# Altium PCB Thunderscope_Rev3.PCBDOC (part 3 of 6) (continued)
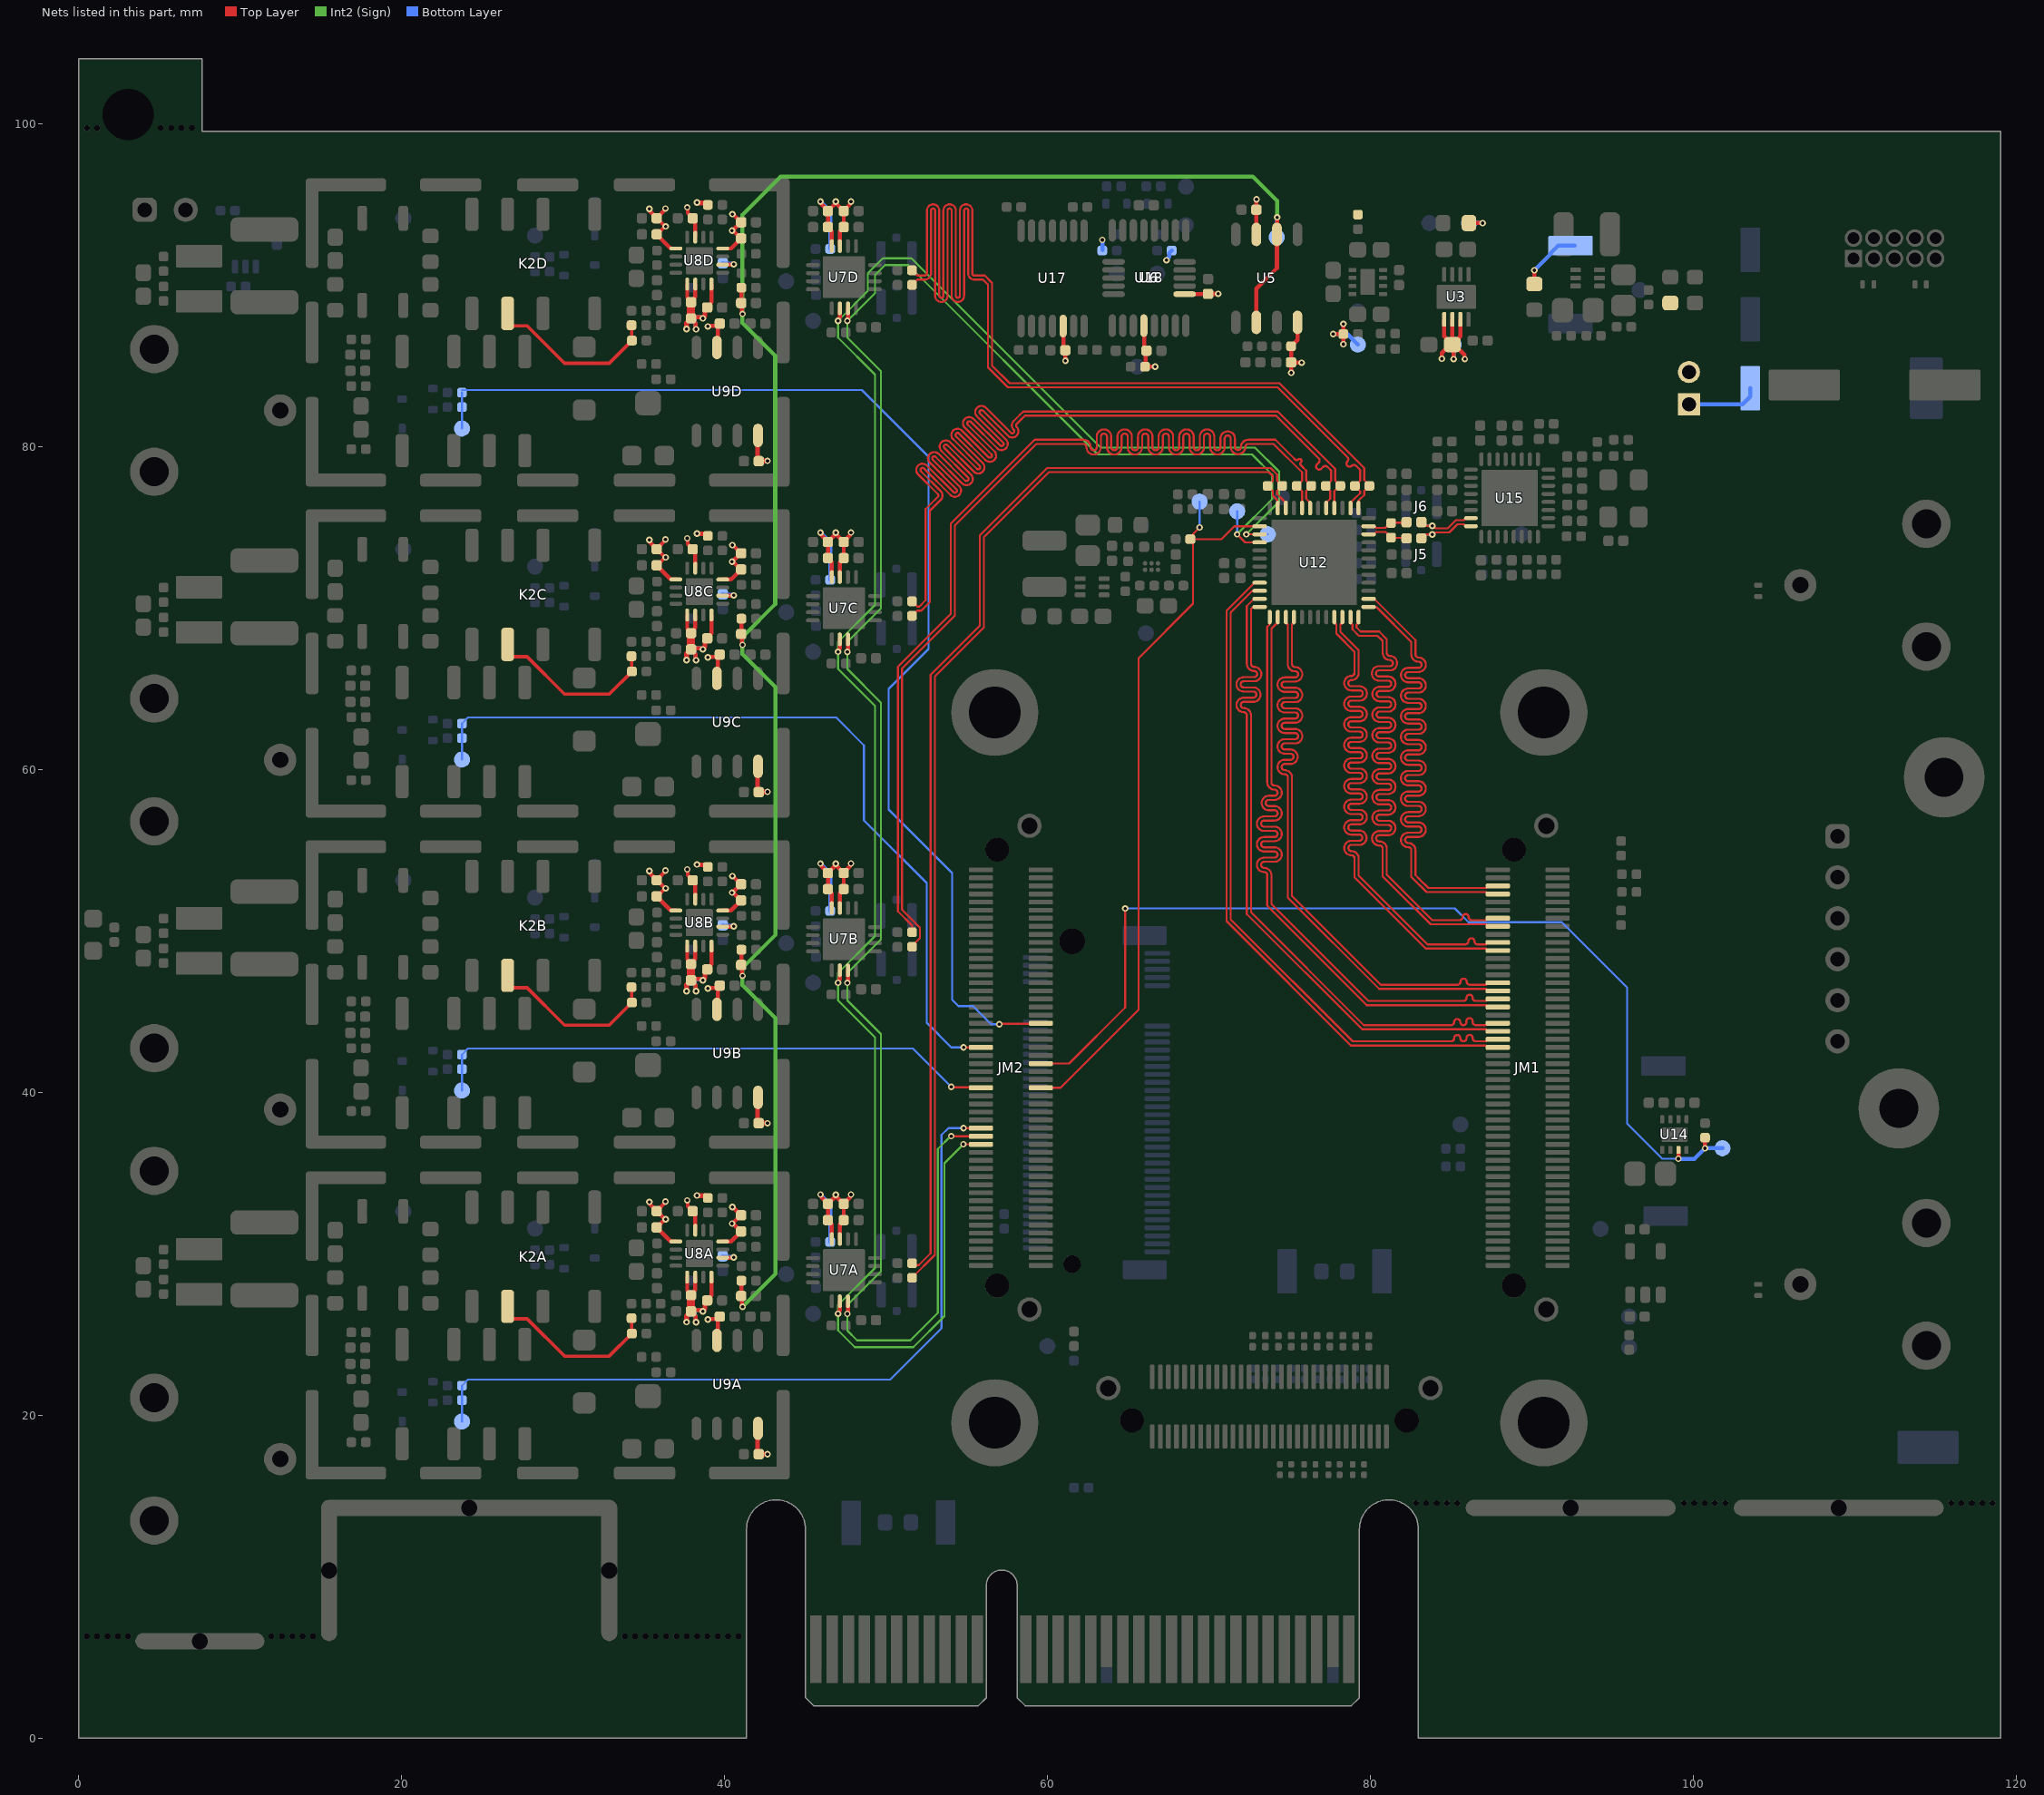
[diagram p7: the nets of this part, all layers, seen from the top]
## Nets (pads, with @x,y where several pads share a name; then routed paths per layer and width w, separated by ;. In a path a pad name is that pad's centre, name@x,y a point inside that pad or via, vN(x,y) a via of type N, cw(c..) or ccw(c..) an arc to the next point about the centre after c; other vN are vias at no path point) (continued)
ATTEN_OUTB: K2B.6 R31B.1 R41B.2 | length 10.9
  Top Layer w0.213: K2B.6@26.55,47.23 26.55,46.79 26.876,46.463 27.761,46.463 30.075,44.15 32.85,44.15 R41B.2@34.25,45.55 34.237,45.563 R31B.1@34.237,46.488 ; R31B.1@34.118,46.607 R31B.1@34.237,46.488 ; R31B.1@34.225,46.5 R31B.1@34.237,46.488
ATTEN_OUTC: K2C.6 R31C.1 R41C.2 | length 10.9
  Top Layer w0.213: K2C.6@26.55,67.73 26.55,67.29 26.876,66.964 27.761,66.964 30.075,64.65 32.85,64.65 R41C.2@34.25,66.05 34.237,66.063 R31C.1@34.237,66.988 ; R31C.1@34.118,67.107 R31C.1@34.237,66.988 ; R31C.1@34.225,67 R31C.1@34.237,66.988
ATTEN_OUTD: K2D.6 R31D.1 R41D.2 | length 10.9
  Top Layer w0.213: K2D.6@26.55,88.23 26.55,87.79 26.876,87.464 27.761,87.464 30.075,85.15 32.85,85.15 R41D.2@34.25,86.55 34.237,86.563 R31D.1@34.237,87.488 ; R31D.1@34.118,87.607 R31D.1@34.237,87.488 ; R31D.1@34.225,87.5 R31D.1@34.237,87.488
CH1_N: R40A.2 R57.2 U12.47 | length 69.7
  Top Layer w0.127: R40A.2@51.6,28.5 51.6,28.51 53.007,29.918 53.007,65.743 56.05,68.786 56.05,74.375 60.075,78.4 73.686,78.4 73.943,78.143 73.943,77.875 R57.2@73.618,77.55 73.942,77.226 73.942,76.937 74.22,76.66 U12.47@74.22,76.199
CH1_P: R30A.2 R57.1 U12.46 | length 69.8
  Top Layer w0.127: R30A.2@51.6,29.4 51.71,29.29 52.016,29.29 52.75,30.024 52.75,65.85 55.793,68.893 55.793,74.482 59.968,78.657 73.793,78.657 74.2,78.25 74.2,77.868 R57.1@74.518,77.55 74.2,77.231 74.2,77.044 74.529,76.714 U12.46@74.743,76.5
CH2_N: R40B.2 R60.2 U12.44 | length 69.7
  Top Layer w0.127: R40B.2@51.6,49 51.6,49.047 52.091,49.537 52.091,50.191 50.982,51.299 50.982,66.243 54.25,69.511 54.25,75.105 59.295,80.15 61.375,80.15 62.205,80.15 cw(c62.205,79.959) 62.396,79.959 62.396,79.941 ccw(c62.843,79.941) 62.843,79.493 ccw(c62.843,79.941) 63.291,79.941 63.291,80.597 cw(c63.482,80.597) 63.482,80.787 cw(c63.482,80.597) 63.672,80.597 63.672,79.941 ccw(c64.12,79.941) 64.12,79.493 ccw(c64.12,79.941) 64.567,79.941 64.567,80.597 cw(c64.758,80.597) 64.758,80.787 cw(c64.758,80.597) 64.948,80.597 64.948,79.941 ccw(c65.396,79.941) 65.396,79.493 ccw(c65.396,79.941) 65.844,79.941 65.844,80.597 cw(c66.034,80.597) 66.034,80.787 cw(c66.034,80.597) 66.225,80.597 66.225,79.941 ccw(c66.673,79.941) 66.673,79.493 ccw(c66.673,79.941) 67.12,79.941 67.12,80.597 cw(c67.311,80.597) 67.311,80.787 cw(c67.311,80.597) 67.501,80.597 67.501,79.941 ccw(c67.949,79.941) 67.949,79.493 ccw(c67.949,79.941) 68.397,79.941 68.397,80.597 cw(c68.587,80.597) 68.587,80.787 cw(c68.587,80.597) 68.778,80.597 68.778,79.941 ccw(c69.226,79.941) 69.226,79.493 ccw(c69.226,79.941) 69.673,79.941 69.673,80.597 cw(c69.864,80.597) 69.864,80.787 cw(c69.864,80.597) 70.054,80.597 70.054,79.941 ccw(c70.502,79.941) 70.502,79.493 ccw(c70.502,79.941) 70.95,79.941 70.95,80.48 cw(c71.14,80.48) 71.14,80.67 cw(c71.14,80.48) 71.331,80.48 71.331,79.959 ccw(c71.778,79.959) 71.778,79.512 ccw(c71.778,79.959) 72.226,79.959 cw(c72.417,79.959) 72.417,80.15 73.169,80.15 73.986,80.15 75.743,78.393 75.743,77.875 R60.2@75.418,77.55 75.418,77.546 75.743,77.221 U12.44@75.743,76.175
CH2_P: R30B.2 R60.1 U12.43 | length 69.7
  Top Layer w0.127: R30B.2@51.6,49.9 51.602,49.902 51.602,50.316 50.725,51.193 50.725,66.35 53.993,69.618 53.993,75.211 59.189,80.407 61.375,80.407 62.205,80.407 cw(c62.205,79.959) 62.653,79.959 62.653,79.941 ccw(c62.843,79.941) 62.843,79.75 ccw(c62.843,79.941) 63.034,79.941 63.034,80.597 cw(c63.482,80.597) 63.482,81.044 cw(c63.482,80.597) 63.929,80.597 63.929,79.941 ccw(c64.12,79.941) 64.12,79.75 ccw(c64.12,79.941) 64.31,79.941 64.31,80.597 cw(c64.758,80.597) 64.758,81.044 cw(c64.758,80.597) 65.206,80.597 65.206,79.941 ccw(c65.396,79.941) 65.396,79.75 ccw(c65.396,79.941) 65.587,79.941 65.587,80.597 cw(c66.034,80.597) 66.034,81.044 cw(c66.034,80.597) 66.482,80.597 66.482,79.941 ccw(c66.673,79.941) 66.673,79.75 ccw(c66.673,79.941) 66.863,79.941 66.863,80.597 cw(c67.311,80.597) 67.311,81.044 cw(c67.311,80.597) 67.759,80.597 67.759,79.941 ccw(c67.949,79.941) 67.949,79.75 ccw(c67.949,79.941) 68.14,79.941 68.14,80.597 cw(c68.587,80.597) 68.587,81.044 cw(c68.587,80.597) 69.035,80.597 69.035,79.941 ccw(c69.226,79.941) 69.226,79.75 ccw(c69.226,79.941) 69.416,79.941 69.416,80.597 cw(c69.864,80.597) 69.864,81.044 cw(c69.864,80.597) 70.311,80.597 70.311,79.941 ccw(c70.502,79.941) 70.502,79.75 ccw(c70.502,79.941) 70.692,79.941 70.692,80.48 cw(c71.14,80.48) 71.14,80.927 cw(c71.14,80.48) 71.588,80.48 71.588,79.959 ccw(c71.778,79.959) 71.778,79.769 ccw(c71.778,79.959) 71.969,79.959 cw(c72.417,79.959) 72.417,80.407 73.169,80.407 74.093,80.407 75.272,79.228 75.317,79.183 ccw(c75.407,79.273) 75.497,79.183 cw(c75.587,79.093) 75.677,79.183 cw(c75.587,79.093) 75.677,79.003 ccw(c75.766,78.913) 75.677,78.823 75.793,78.707 75.838,78.662 76,78.5 76,77.868 R60.1@76.318,77.55 76,77.232 76,76.758 76.243,76.515 U12.43@76.243,76.175
CH3_N: R40C.2 R62.2 U12.41 | length 69.7
  Top Layer w0.127: R40C.2@51.6,69.5 51.6,69.51 51.911,69.821 52.167,69.821 52.7,70.355 52.7,76.011 53.237,76.548 53.373,76.684 ccw(c53.101,76.956) 53.41,77.183 53.41,77.19 53.373,77.227 52.155,78.445 cw(c52.245,78.535) 52.155,78.625 cw(c52.245,78.535) 52.335,78.625 ; 52.335,78.624 53.976,76.983 ccw(c54.248,77.254) 54.52,76.983 ccw(c54.248,77.254) 54.558,77.482 54.558,77.488 52.878,79.168 cw(c52.967,79.258) 52.878,79.348 cw(c52.967,79.258) 53.058,79.348 ; 53.058,79.347 54.699,77.706 ccw(c54.971,77.977) 55.243,77.706 55.244,77.707 ccw(c54.971,77.977) 55.281,78.205 55.281,78.211 53.601,79.891 cw(c53.69,79.981) 53.601,80.071 cw(c53.69,79.981) 53.781,80.07 55.422,78.429 ccw(c55.694,78.7) 55.966,78.429 55.967,78.43 ccw(c55.694,78.7) 56.003,78.928 56.003,78.934 54.324,80.614 cw(c54.413,80.704) 54.324,80.794 cw(c54.413,80.704) 54.503,80.793 ; 54.504,80.793 56.145,79.152 ccw(c56.417,79.423) 56.689,79.151 56.69,79.152 ccw(c56.417,79.423) 56.726,79.651 56.726,79.657 55.047,81.337 cw(c55.136,81.427) 55.047,81.517 cw(c55.136,81.427) 55.226,81.516 56.868,79.875 ccw(c57.14,80.146) 57.412,79.874 57.413,79.875 ccw(c57.14,80.146) 57.449,80.374 57.449,80.38 56.708,81.121 55.805,82.025 cw(c55.895,82.115) 55.805,82.204 cw(c55.895,82.115) 55.984,82.204 57.529,80.66 ccw(c57.8,80.932) 58.072,80.66 58.073,80.661 ccw(c57.8,80.932) 58.072,81.204 cw(c58.162,81.293) 58.072,81.383 58.46,81.772 58.589,81.9 74.136,81.9 76.462,79.574 76.507,79.529 76.777,79.26 cw(c76.642,79.125) 76.777,78.99 76.672,78.885 ccw(c76.807,78.751) 76.672,78.616 ccw(c76.807,78.751) 76.941,78.616 77.046,78.721 cw(c77.181,78.586) 77.315,78.721 77.484,78.552 77.529,78.507 77.539,78.497 77.539,77.905 ; U12.41@77.243,76.515 77.486,76.758 77.486,77.232 77.455,77.263 77.455,77.267 77.218,77.503 R62.2@77.218,77.55 77.543,77.875 77.543,77.894
CH3_P: R30C.2 R62.1 U12.40 | length 69.7
  Top Layer w0.127: R30C.2@51.6,70.4 51.6,70.39 51.911,70.079 52.06,70.079 52.443,70.461 52.443,76.118 53.055,76.73 53.191,76.866 ccw(c53.101,76.956) 53.19,77.046 ; 52.697,78.986 cw(c52.967,79.258) 52.696,79.53 52.697,79.531 cw(c52.967,79.258) 53.195,79.567 53.201,79.567 54.881,77.887 ccw(c54.971,77.977) 55.061,77.887 ccw(c54.971,77.977) 55.061,78.067 53.42,79.708 cw(c53.69,79.981) 53.419,80.253 cw(c53.69,79.981) 53.918,80.29 53.924,80.29 55.604,78.61 ccw(c55.694,78.7) 55.784,78.61 ccw(c55.694,78.7) 55.784,78.79 54.143,80.431 cw(c54.413,80.704) 54.142,80.976 cw(c54.413,80.704) 54.641,81.013 54.647,81.013 56.327,79.333 ccw(c56.417,79.423) 56.507,79.333 ccw(c56.417,79.423) 56.507,79.513 ; 52.697,78.985 54.337,77.345 ; 53.19,77.046 51.974,78.262 cw(c52.245,78.535) 51.973,78.807 51.974,78.808 cw(c52.245,78.535) 52.472,78.844 52.479,78.844 54.158,77.164 ccw(c54.248,77.254) 54.338,77.164 ccw(c54.248,77.254) 54.338,77.344 ; 54.866,81.154 56.506,79.514 ; 54.865,81.154 cw(c55.136,81.427) 54.865,81.699 cw(c55.136,81.427) 55.364,81.736 55.37,81.736 57.05,80.056 ccw(c57.14,80.146) 57.23,80.056 ccw(c57.14,80.146) 57.23,80.236 ; 57.229,80.237 55.623,81.843 cw(c55.895,82.115) 55.623,82.386 cw(c55.895,82.115) 56.166,82.386 57.71,80.842 ccw(c57.8,80.932) 57.89,80.842 ccw(c57.8,80.932) 57.89,81.022 cw(c58.162,81.293) 57.89,81.565 58.278,81.953 58.482,82.157 74.243,82.157 77.8,78.6 77.8,77.868 R62.1@78.118,77.55 ; U12.40@77.743,76.175 77.743,77.221 R62.1@78.068,77.546 ; R62.1@78.118,77.527 R62.1@78.118,77.55 ; R62.1@78.118,77.573 R62.1@78.118,77.55
CH4_N: R40D.2 R63.2 U12.38 | length 69.7
  Top Layer w0.127: R40D.2@51.6,90 51.6,90.01 51.911,90.321 52.196,90.321 52.389,90.321 ccw(c52.389,90.706) 52.773,90.706 52.773,94.601 cw(c52.9,94.601) 52.9,94.728 cw(c52.9,94.601) 53.027,94.601 53.027,89.324 ccw(c53.411,89.324) 53.411,88.94 ccw(c53.411,89.324) 53.795,89.324 53.795,94.601 cw(c53.922,94.601) 53.922,94.728 cw(c53.922,94.601) 54.049,94.601 54.049,89.324 ccw(c54.433,89.324) 54.433,88.94 ccw(c54.433,89.324) 54.818,89.324 54.818,94.601 cw(c54.945,94.601) 54.945,94.728 cw(c54.945,94.601) 55.072,94.601 55.072,90.706 ccw(c55.456,90.706) 55.456,90.321 55.854,90.321 55.993,90.321 56.3,90.014 56.3,84.886 57.536,83.65 74.236,83.65 78.238,79.648 78.283,79.603 78.553,79.334 cw(c78.418,79.199) 78.553,79.064 ccw(c78.687,78.929) 78.553,78.795 ccw(c78.687,78.929) 78.822,78.795 ; U12.38@78.743,76.175 78.743,76.5 78.957,76.714 79.339,77.096 79.339,77.214 79.018,77.535 R63.2@79.018,77.55 79.343,77.875 79.343,78.343 79.343,78.543 79.091,78.795 ; 78.822,78.795 cw(c78.957,78.66) 79.091,78.795
CH4_P: R30D.2 R63.1 U12.37 | length 69.6
  Top Layer w0.127: R30D.2@51.6,90.9 51.6,90.89 51.911,90.579 52.196,90.579 52.389,90.579 ccw(c52.389,90.706) 52.516,90.706 52.516,94.601 cw(c52.9,94.601) 52.9,94.985 cw(c52.9,94.601) 53.284,94.601 53.284,89.324 ccw(c53.411,89.324) 53.411,89.197 ccw(c53.411,89.324) 53.538,89.324 53.538,94.601 cw(c53.922,94.601) 53.922,94.985 cw(c53.922,94.601) 54.306,94.601 54.306,89.324 ccw(c54.433,89.324) 54.433,89.197 ccw(c54.433,89.324) 54.56,89.324 54.56,94.601 cw(c54.945,94.601) 54.945,94.985 cw(c54.945,94.601) 55.329,94.601 55.329,90.706 ccw(c55.456,90.706) 55.456,90.579 55.854,90.579 55.993,90.579 56.1,90.579 56.557,90.121 56.557,84.993 57.643,83.907 74.343,83.907 79.6,78.65 79.6,77.915 79.918,77.597 R63.1@79.918,77.55 79.907,77.55 79.596,77.239 79.596,76.989 79.267,76.66 79.267,76.199 U12.37@79.243,76.175
D1A_N: JM1.57 U12.10 | length 42
  Top Layer w0.127: U12.10@73.118,71.05 73.095,71.026 72.64,71.026 71.325,69.711 71.325,50.7 78.876,43.149 84.625,43.149 84.974,43.149 ccw(c84.974,43.34) 85.165,43.34 85.165,43.35 cw(c85.355,43.35) 85.546,43.35 85.546,43.34 ccw(c85.736,43.34) 85.927,43.34 85.927,43.361 cw(c86.117,43.361) 86.308,43.361 86.308,43.34 ccw(c86.498,43.34) 86.498,43.149 86.943,43.149 87.139,43.149 87.261,43.271 JM1.57@87.867,43.271
D1A_P: JM1.55 U12.9 | length 42
  Top Layer w0.127: U12.9@73.118,71.55 72.8,71.55 72.589,71.339 71.068,69.818 71.068,50.593 78.769,42.892 87.139,42.892 87.261,42.771 JM1.55@87.867,42.771
D1B_N: JM1.61 U12.12 | length 42.2
  Top Layer w0.127: U12.12@73.118,70.05 73.095,70.026 72.689,70.026 72.582,69.92 72.582,68.486 72.582,66.725 72.582,66.533 ccw(c72.773,66.533) 72.773,66.342 72.775,66.342 cw(c72.775,65.895) 73.222,65.895 cw(c72.775,65.895) 72.775,65.447 72.133,65.447 ccw(c72.133,65.256) 71.942,65.256 ccw(c72.133,65.256) 72.133,65.066 72.728,65.066 cw(c72.728,64.618) 73.176,64.618 cw(c72.728,64.618) 72.728,64.171 72.134,64.171 ccw(c72.134,63.98) 71.944,63.98 ccw(c72.134,63.98) 72.134,63.79 cw(c72.134,63.342) 72.582,63.342 72.582,58.753 72.582,51.143 79.576,44.149 84.624,44.149 84.97,44.149 ccw(c84.97,44.34) 85.161,44.34 cw(c85.351,44.34) 85.542,44.34 ccw(c85.732,44.34) 85.923,44.34 85.923,44.395 cw(c86.113,44.395) 86.304,44.395 86.304,44.34 ccw(c86.494,44.34) 86.494,44.149 86.939,44.149 87.139,44.149 87.261,44.271 JM1.61@87.867,44.271
D1B_P: JM1.59 U12.11 | length 42.3
  Top Layer w0.127: U12.11@73.106,70.538 U12.11@73.118,70.55 72.779,70.55 72.325,70.096 72.325,68.38 72.325,66.725 72.325,66.533 ccw(c72.773,66.533) 72.773,66.085 72.775,66.085 cw(c72.775,65.895) 72.965,65.895 cw(c72.775,65.895) 72.775,65.704 72.133,65.704 ccw(c72.133,65.256) 71.685,65.256 ccw(c72.133,65.256) 72.133,64.809 72.728,64.809 cw(c72.728,64.618) 72.919,64.618 cw(c72.728,64.618) 72.728,64.428 72.134,64.428 ccw(c72.134,63.98) 71.687,63.98 ccw(c72.134,63.98) 72.134,63.532 cw(c72.134,63.342) 72.325,63.342 72.325,58.753 72.325,58.279 72.325,51.036 79.469,43.892 87.139,43.892 87.261,43.771 JM1.59@87.867,43.771
D2A_N: JM1.67 U12.14 | length 42.1
  Top Layer w0.127: U12.14@74.243,69.425 74.243,69.105 73.85,68.712 73.85,61.084 73.85,59.184 ccw(c74.04,59.184) 74.04,58.993 cw(c74.041,58.546) 74.488,58.546 cw(c74.041,58.546) 74.041,58.098 73.688,58.098 ccw(c73.688,57.907) 73.498,57.907 ccw(c73.688,57.907) 73.688,57.717 74.042,57.717 cw(c74.042,57.269) 74.49,57.269 cw(c74.042,57.269) 74.042,56.822 73.4,56.822 ccw(c73.4,56.631) 73.21,56.631 ccw(c73.4,56.631) 73.4,56.441 74.042,56.441 cw(c74.042,55.993) 74.49,55.993 cw(c74.042,55.993) 74.042,55.545 73.4,55.545 ccw(c73.4,55.355) 73.21,55.355 ccw(c73.4,55.355) 73.4,55.164 74.042,55.164 cw(c74.042,54.716) 74.49,54.716 cw(c74.042,54.716) 74.042,54.269 73.4,54.269 ccw(c73.4,54.078) 73.21,54.078 ccw(c73.4,54.078) 73.4,53.888 73.402,53.888 cw(c73.402,53.44) 73.85,53.44 73.85,53.248 73.85,51.65 79.851,45.649 84.753,45.649 85.735,45.649 ccw(c85.735,45.84) 85.925,45.84 cw(c86.116,45.84) 86.306,45.84 ccw(c86.497,45.84) 86.497,45.649 86.941,45.649 87.139,45.649 87.261,45.771 JM1.67@87.867,45.771
D2A_P: JM1.65 U12.13 | length 42
  Top Layer w0.127: U12.13@73.743,69.425 73.72,69.401 73.72,68.946 73.593,68.819 73.593,61.084 73.593,59.184 ccw(c74.04,59.184) 74.04,58.736 cw(c74.041,58.546) 74.231,58.546 cw(c74.041,58.546) 74.041,58.355 73.688,58.355 ccw(c73.688,57.907) 73.241,57.907 ccw(c73.688,57.907) 73.688,57.46 74.042,57.46 cw(c74.042,57.269) 74.233,57.269 cw(c74.042,57.269) 74.042,57.079 73.4,57.079 ccw(c73.4,56.631) 72.953,56.631 ccw(c73.4,56.631) 73.4,56.183 74.042,56.183 cw(c74.042,55.993) 74.233,55.993 cw(c74.042,55.993) 74.042,55.802 73.4,55.802 ccw(c73.4,55.355) 72.953,55.355 ccw(c73.4,55.355) 73.4,54.907 74.042,54.907 cw(c74.042,54.716) 74.233,54.716 cw(c74.042,54.716) 74.042,54.526 73.4,54.526 ccw(c73.4,54.078) 72.953,54.078 ccw(c73.4,54.078) 73.4,53.63 73.402,53.63 cw(c73.402,53.44) 73.593,53.44 73.593,53.248 73.593,51.543 79.744,45.392 87.139,45.392 87.261,45.271 JM1.65@87.867,45.271
D2B_N: JM1.71 U12.16 | length 42
  Top Layer w0.127: U12.16@75.243,69.425 75.243,69.085 75.122,68.964 75.122,66.709 75.122,66.517 ccw(c75.312,66.517) 75.312,66.327 75.314,66.327 cw(c75.314,65.879) 75.762,65.879 cw(c75.314,65.879) 75.314,65.431 74.672,65.431 ccw(c74.672,65.241) 74.482,65.241 ccw(c74.672,65.241) 74.672,65.05 75.314,65.05 cw(c75.314,64.602) 75.762,64.602 cw(c75.314,64.602) 75.314,64.155 74.672,64.155 ccw(c74.672,63.964) 74.482,63.964 ccw(c74.672,63.964) 74.672,63.774 75.314,63.774 cw(c75.314,63.326) 75.762,63.326 cw(c75.314,63.326) 75.314,62.878 74.672,62.878 ccw(c74.672,62.688) 74.482,62.688 ccw(c74.672,62.688) 74.672,62.497 75.314,62.497 cw(c75.314,62.05) 75.762,62.05 cw(c75.314,62.05) 75.314,61.602 74.672,61.602 ccw(c74.672,61.411) 74.482,61.411 ccw(c74.672,61.411) 74.672,61.221 75.028,61.221 cw(c75.028,60.773) 75.475,60.773 cw(c75.028,60.773) 75.028,60.325 74.674,60.325 ccw(c74.674,60.135) 74.483,60.135 ccw(c74.674,60.135) 74.674,59.944 cw(c74.674,59.497) 75.122,59.497 75.122,58.351 75.122,52.153 80.626,46.649 84.605,46.649 85.367,46.649 ccw(c85.367,46.84) 85.558,46.84 cw(c85.748,46.84) 85.939,46.84 ccw(c86.129,46.84) 86.129,46.649 86.574,46.649 87.139,46.649 87.261,46.771 JM1.71@87.867,46.771
D2B_P: JM1.69 U12.15 | length 42
  Top Layer w0.127: U12.15@74.743,69.425 74.743,69.085 74.864,68.964 74.864,66.737 74.864,66.709 74.864,66.517 ccw(c75.312,66.517) 75.312,66.069 75.314,66.069 cw(c75.314,65.879) 75.504,65.879 cw(c75.314,65.879) 75.314,65.688 74.672,65.688 ccw(c74.672,65.241) 74.224,65.241 ccw(c74.672,65.241) 74.672,64.793 75.314,64.793 cw(c75.314,64.602) 75.504,64.602 cw(c75.314,64.602) 75.314,64.412 74.672,64.412 ccw(c74.672,63.964) 74.224,63.964 ccw(c74.672,63.964) 74.672,63.516 75.314,63.516 cw(c75.314,63.326) 75.504,63.326 cw(c75.314,63.326) 75.314,63.135 74.672,63.135 ccw(c74.672,62.688) 74.224,62.688 ccw(c74.672,62.688) 74.672,62.24 75.314,62.24 cw(c75.314,62.05) 75.504,62.05 cw(c75.314,62.05) 75.314,61.859 74.672,61.859 ccw(c74.672,61.411) 74.224,61.411 ccw(c74.672,61.411) 74.672,60.964 75.028,60.964 cw(c75.028,60.773) 75.218,60.773 cw(c75.028,60.773) 75.028,60.583 74.674,60.583 ccw(c74.674,60.135) 74.226,60.135 ccw(c74.674,60.135) 74.674,59.687 cw(c74.674,59.497) 74.864,59.497 74.864,58.351 74.864,53.85 74.864,52.047 80.519,46.392 87.139,46.392 87.261,46.271 JM1.69@87.867,46.271
D3A_N: JM1.81 U12.22 | length 42
  Top Layer w0.127: U12.22@78.243,69.425 78.243,69.085 78.122,68.964 78.122,68.503 79.25,67.375 79.25,66.8 79.25,65.969 cw(c78.802,65.969) 78.802,65.522 78.8,65.522 ccw(c78.8,65.331) 78.61,65.331 ccw(c78.8,65.331) 78.8,65.141 79.312,65.141 cw(c79.312,64.693) 79.76,64.693 cw(c79.312,64.693) 79.312,64.245 78.8,64.245 ccw(c78.8,64.055) 78.61,64.055 ccw(c78.8,64.055) 78.8,63.864 79.31,63.864 cw(c79.31,63.416) 79.758,63.416 cw(c79.31,63.416) 79.31,62.969 78.8,62.969 ccw(c78.8,62.778) 78.61,62.778 ccw(c78.8,62.778) 78.8,62.588 79.309,62.588 cw(c79.309,62.14) 79.757,62.14 cw(c79.309,62.14) 79.309,61.692 78.8,61.692 ccw(c78.8,61.502) 78.61,61.502 ccw(c78.8,61.502) 78.8,61.311 79.308,61.311 cw(c79.308,60.864) 79.756,60.864 cw(c79.308,60.864) 79.308,60.416 78.8,60.416 ccw(c78.8,60.225) 78.61,60.225 ccw(c78.8,60.225) 78.8,60.035 79.307,60.035 cw(c79.307,59.587) 79.755,59.587 cw(c79.307,59.587) 79.307,59.139 78.8,59.139 ccw(c78.8,58.949) 78.61,58.949 ccw(c78.8,58.949) 78.8,58.758 79.307,58.758 cw(c79.307,58.311) 79.755,58.311 cw(c79.307,58.311) 79.307,57.863 78.8,57.863 ccw(c78.8,57.672) 78.61,57.672 ccw(c78.8,57.672) 78.8,57.482 79.307,57.482 cw(c79.307,57.034) 79.755,57.034 cw(c79.307,57.034) 79.307,56.587 78.8,56.587 ccw(c78.8,56.396) 78.61,56.396 ccw(c78.8,56.396) 78.8,56.206 79.288,56.206 cw(c79.288,55.758) 79.736,55.758 cw(c79.288,55.758) 79.288,55.31 78.802,55.31 ccw(c78.802,55.12) 78.612,55.12 ccw(c78.802,55.12) 78.802,54.929 cw(c78.802,54.481) 79.25,54.481 79.25,53.55 79.25,53.414 83.515,49.149 84.935,49.149 85.851,49.149 ccw(c85.851,49.34) 86.042,49.34 cw(c86.232,49.34) 86.423,49.34 ccw(c86.613,49.34) 86.613,49.149 87.058,49.149 87.139,49.149 87.261,49.271 JM1.81@87.867,49.271
D3A_P: JM1.79 U12.21 | length 42
  Top Layer w0.127: U12.21@77.743,69.425 77.743,69.085 77.864,68.964 77.864,68.397 78.993,67.268 78.993,66.8 78.993,65.969 cw(c78.802,65.969) 78.802,65.779 78.8,65.779 ccw(c78.8,65.331) 78.353,65.331 ccw(c78.8,65.331) 78.8,64.883 79.312,64.883 cw(c79.312,64.693) 79.502,64.693 cw(c79.312,64.693) 79.312,64.502 78.8,64.502 ccw(c78.8,64.055) 78.353,64.055 ccw(c78.8,64.055) 78.8,63.607 79.31,63.607 cw(c79.31,63.416) 79.501,63.416 cw(c79.31,63.416) 79.31,63.226 78.8,63.226 ccw(c78.8,62.778) 78.353,62.778 ccw(c78.8,62.778) 78.8,62.33 79.309,62.33 cw(c79.309,62.14) 79.499,62.14 cw(c79.309,62.14) 79.309,61.949 78.8,61.949 ccw(c78.8,61.502) 78.353,61.502 ccw(c78.8,61.502) 78.8,61.054 79.308,61.054 cw(c79.308,60.864) 79.498,60.864 cw(c79.308,60.864) 79.308,60.673 78.8,60.673 ccw(c78.8,60.225) 78.353,60.225 ccw(c78.8,60.225) 78.8,59.778 79.307,59.778 cw(c79.307,59.587) 79.498,59.587 cw(c79.307,59.587) 79.307,59.397 78.8,59.397 ccw(c78.8,58.949) 78.353,58.949 ccw(c78.8,58.949) 78.8,58.501 79.307,58.501 cw(c79.307,58.311) 79.497,58.311 cw(c79.307,58.311) 79.307,58.12 78.8,58.12 ccw(c78.8,57.672) 78.353,57.672 ccw(c78.8,57.672) 78.8,57.225 79.307,57.225 cw(c79.307,57.034) 79.497,57.034 cw(c79.307,57.034) 79.307,56.844 78.8,56.844 ccw(c78.8,56.396) 78.353,56.396 ccw(c78.8,56.396) 78.8,55.948 79.288,55.948 cw(c79.288,55.758) 79.479,55.758 cw(c79.288,55.758) 79.288,55.567 78.802,55.567 ccw(c78.802,55.12) 78.355,55.12 ccw(c78.802,55.12) 78.802,54.672 cw(c78.802,54.481) 78.993,54.481 78.993,53.55 78.993,53.307 83.408,48.892 87.139,48.892 87.261,48.771 JM1.79@87.867,48.771
D3B_N: JM1.87 U12.24 | length 42.3
  Top Layer w0.127: U12.24@79.243,69.425 79.243,69.085 79.122,68.964 79.122,68.775 79.371,68.525 80.525,68.525 80.993,68.057 80.993,67.401 80.993,67.209 ccw(c81.183,67.209) 81.183,67.019 ; 81.184,67.019 cw(c81.184,66.571) 81.632,66.571 cw(c81.184,66.571) 81.184,66.123 80.51,66.123 ccw(c80.51,65.933) 80.32,65.933 ccw(c80.51,65.933) 80.51,65.742 81.083,65.742 cw(c81.083,65.295) 81.531,65.295 cw(c81.083,65.295) 81.083,64.847 80.548,64.847 ccw(c80.548,64.656) 80.358,64.656 ccw(c80.548,64.656) 80.548,64.466 81.083,64.466 cw(c81.083,64.018) 81.531,64.018 cw(c81.083,64.018) 81.083,63.57 80.547,63.57 ccw(c80.547,63.38) 80.356,63.38 ccw(c80.547,63.38) 80.547,63.189 81.083,63.189 cw(c81.083,62.742) 81.531,62.742 cw(c81.083,62.742) 81.083,62.294 80.545,62.294 ccw(c80.545,62.103) 80.355,62.103 ccw(c80.545,62.103) 80.545,61.913 81.083,61.913 cw(c81.083,61.465) 81.531,61.465 cw(c81.083,61.465) 81.083,61.018 80.544,61.018 ccw(c80.544,60.827) 80.354,60.827 ccw(c80.544,60.827) 80.544,60.637 81.083,60.637 cw(c81.083,60.189) 81.531,60.189 cw(c81.083,60.189) 81.083,59.741 80.544,59.741 ccw(c80.544,59.551) 80.353,59.551 ccw(c80.544,59.551) 80.544,59.36 81.083,59.36 cw(c81.083,58.912) 81.531,58.912 cw(c81.083,58.912) 81.083,58.465 80.543,58.465 ccw(c80.543,58.274) 80.353,58.274 ccw(c80.543,58.274) 80.543,58.084 81.083,58.084 cw(c81.083,57.636) 81.531,57.636 cw(c81.083,57.636) 81.083,57.188 80.543,57.188 ccw(c80.543,56.998) 80.353,56.998 ccw(c80.543,56.998) 80.543,56.807 81.083,56.807 cw(c81.083,56.36) 81.531,56.36 cw(c81.083,56.36) 81.083,55.912 80.525,55.912 ccw(c80.525,55.721) 80.334,55.721 ccw(c80.525,55.721) 80.525,55.531 80.545,55.531 cw(c80.545,55.083) 80.993,55.083 80.993,53.471 81.295,53.169 81.54,52.923 83.815,50.649 85.427,50.649 85.49,50.649 ccw(c85.49,50.84) 85.681,50.84 cw(c85.871,50.84) 86.062,50.84 ccw(c86.252,50.84) 86.252,50.649 86.821,50.649 87.139,50.649 87.261,50.771 JM1.87@87.867,50.771
D3B_P: JM1.85 U12.23 | length 42.3
  Top Layer w0.127: U12.23@78.743,69.425 78.743,69.085 78.864,68.964 78.864,68.669 79.265,68.268 80.418,68.268 80.736,67.951 80.736,67.401 80.736,67.209 ccw(c81.183,67.209) 81.183,66.762 ; 81.184,66.762 cw(c81.184,66.571) 81.374,66.571 cw(c81.184,66.571) 81.184,66.381 80.51,66.381 ccw(c80.51,65.933) 80.062,65.933 ccw(c80.51,65.933) 80.51,65.485 81.083,65.485 cw(c81.083,65.295) 81.273,65.295 cw(c81.083,65.295) 81.083,65.104 80.548,65.104 ccw(c80.548,64.656) 80.101,64.656 ccw(c80.548,64.656) 80.548,64.209 81.083,64.209 cw(c81.083,64.018) 81.273,64.018 cw(c81.083,64.018) 81.083,63.828 80.547,63.828 ccw(c80.547,63.38) 80.099,63.38 ccw(c80.547,63.38) 80.547,62.932 81.083,62.932 cw(c81.083,62.742) 81.273,62.742 cw(c81.083,62.742) 81.083,62.551 80.545,62.551 ccw(c80.545,62.103) 80.098,62.103 ccw(c80.545,62.103) 80.545,61.656 81.083,61.656 cw(c81.083,61.465) 81.273,61.465 cw(c81.083,61.465) 81.083,61.275 80.544,61.275 ccw(c80.544,60.827) 80.097,60.827 ccw(c80.544,60.827) 80.544,60.379 81.083,60.379 cw(c81.083,60.189) 81.273,60.189 cw(c81.083,60.189) 81.083,59.998 80.544,59.998 ccw(c80.544,59.551) 80.096,59.551 ccw(c80.544,59.551) 80.544,59.103 81.083,59.103 cw(c81.083,58.912) 81.273,58.912 cw(c81.083,58.912) 81.083,58.722 80.543,58.722 ccw(c80.543,58.274) 80.096,58.274 ccw(c80.543,58.274) 80.543,57.826 81.083,57.826 cw(c81.083,57.636) 81.273,57.636 cw(c81.083,57.636) 81.083,57.445 80.543,57.445 ccw(c80.543,56.998) 80.096,56.998 ccw(c80.543,56.998) 80.543,56.55 81.083,56.55 cw(c81.083,56.36) 81.273,56.36 cw(c81.083,56.36) 81.083,56.169 80.525,56.169 ccw(c80.525,55.721) 80.077,55.721 ccw(c80.525,55.721) 80.525,55.274 80.545,55.274 cw(c80.545,55.083) 80.736,55.083 80.736,53.364 81.113,52.987 81.177,52.923 83.708,50.392 87.139,50.392 87.261,50.271 JM1.85@87.867,50.271
D4A_N: JM1.95 U12.26 | length 41.8
  Top Layer w0.127: U12.26@79.868,70.55 80.208,70.55 82.768,67.99 82.768,67.299 82.768,67.107 ccw(c82.958,67.107) 82.958,66.917 82.96,66.917 cw(c82.96,66.469) 83.408,66.469 cw(c82.96,66.469) 82.96,66.021 82.318,66.021 ccw(c82.318,65.831) 82.128,65.831 ccw(c82.318,65.831) 82.318,65.64 82.96,65.64 cw(c82.96,65.193) 83.408,65.193 cw(c82.96,65.193) 82.96,64.745 82.318,64.745 ccw(c82.318,64.554) 82.128,64.554 ; 82.128,64.554 ccw(c82.318,64.554) 82.318,64.364 82.96,64.364 cw(c82.96,63.916) 83.408,63.916 cw(c82.96,63.916) 82.96,63.468 82.318,63.468 ccw(c82.318,63.278) 82.128,63.278 ccw(c82.318,63.278) 82.318,63.087 82.96,63.087 cw(c82.96,62.64) 83.408,62.64 cw(c82.96,62.64) 82.96,62.192 82.318,62.192 ccw(c82.318,62.001) 82.128,62.001 ccw(c82.318,62.001) 82.318,61.811 82.96,61.811 cw(c82.96,61.363) 83.408,61.363 cw(c82.96,61.363) 82.96,60.915 82.318,60.915 ccw(c82.318,60.725) 82.128,60.725 ccw(c82.318,60.725) 82.318,60.534 82.96,60.534 cw(c82.96,60.087) 83.408,60.087 cw(c82.96,60.087) 82.96,59.639 82.318,59.639 ccw(c82.318,59.449) 82.128,59.449 ccw(c82.318,59.449) 82.318,59.258 82.96,59.258 cw(c82.96,58.81) 83.408,58.81 cw(c82.96,58.81) 82.96,58.363 82.318,58.363 ccw(c82.318,58.172) 82.128,58.172 ccw(c82.318,58.172) 82.318,57.982 82.96,57.982 cw(c82.96,57.534) 83.408,57.534 cw(c82.96,57.534) 82.96,57.086 82.318,57.086 ccw(c82.318,56.896) 82.128,56.896 ccw(c82.318,56.896) 82.318,56.705 82.96,56.705 cw(c82.96,56.257) 83.408,56.257 cw(c82.96,56.257) 82.96,55.81 82.318,55.81 ccw(c82.318,55.619) 82.128,55.619 ccw(c82.318,55.619) 82.318,55.429 82.32,55.429 cw(c82.32,54.981) 82.768,54.981 82.768,53.6 82.768,53.446 82.988,53.226 83.565,52.649 87.139,52.649 87.261,52.771 JM1.95@87.867,52.771
D4A_P: JM1.93 U12.25 | length 41.7
  Top Layer w0.127: U12.25@79.868,70.05 79.889,70.029 80.365,70.029 82.511,67.883 82.511,67.299 82.511,67.107 ccw(c82.958,67.107) 82.958,66.659 82.96,66.659 cw(c82.96,66.469) 83.151,66.469 cw(c82.96,66.469) 82.96,66.278 82.318,66.278 ccw(c82.318,65.831) 81.871,65.831 ccw(c82.318,65.831) 82.318,65.383 82.96,65.383 cw(c82.96,65.193) 83.151,65.193 cw(c82.96,65.193) 82.96,65.002 82.318,65.002 ccw(c82.318,64.554) 81.871,64.554 ; 81.871,64.554 ccw(c82.318,64.554) 82.318,64.107 82.96,64.107 cw(c82.96,63.916) 83.151,63.916 cw(c82.96,63.916) 82.96,63.726 82.318,63.726 ccw(c82.318,63.278) 81.871,63.278 ccw(c82.318,63.278) 82.318,62.83 82.96,62.83 cw(c82.96,62.64) 83.151,62.64 cw(c82.96,62.64) 82.96,62.449 82.318,62.449 ccw(c82.318,62.001) 81.871,62.001 ccw(c82.318,62.001) 82.318,61.554 82.96,61.554 cw(c82.96,61.363) 83.151,61.363 cw(c82.96,61.363) 82.96,61.173 82.318,61.173 ccw(c82.318,60.725) 81.871,60.725 ccw(c82.318,60.725) 82.318,60.277 82.96,60.277 cw(c82.96,60.087) 83.151,60.087 cw(c82.96,60.087) 82.96,59.896 82.318,59.896 ccw(c82.318,59.449) 81.871,59.449 ccw(c82.318,59.449) 82.318,59.001 82.96,59.001 cw(c82.96,58.81) 83.151,58.81 cw(c82.96,58.81) 82.96,58.62 82.318,58.62 ccw(c82.318,58.172) 81.871,58.172 ccw(c82.318,58.172) 82.318,57.724 82.96,57.724 cw(c82.96,57.534) 83.151,57.534 cw(c82.96,57.534) 82.96,57.343 82.318,57.343 ccw(c82.318,56.896) 81.871,56.896 ccw(c82.318,56.896) 82.318,56.448 82.96,56.448 cw(c82.96,56.257) 83.151,56.257 cw(c82.96,56.257) 82.96,56.067 82.318,56.067 ccw(c82.318,55.619) 81.871,55.619 ccw(c82.318,55.619) 82.318,55.172 82.32,55.172 cw(c82.32,54.981) 82.511,54.981 82.511,53.6 82.511,53.339 83.458,52.392 87.139,52.392 87.261,52.271 JM1.93@87.867,52.271